# Altium PCB imx6ull开发板.PcbDoc (part 1 of 3) (continued)
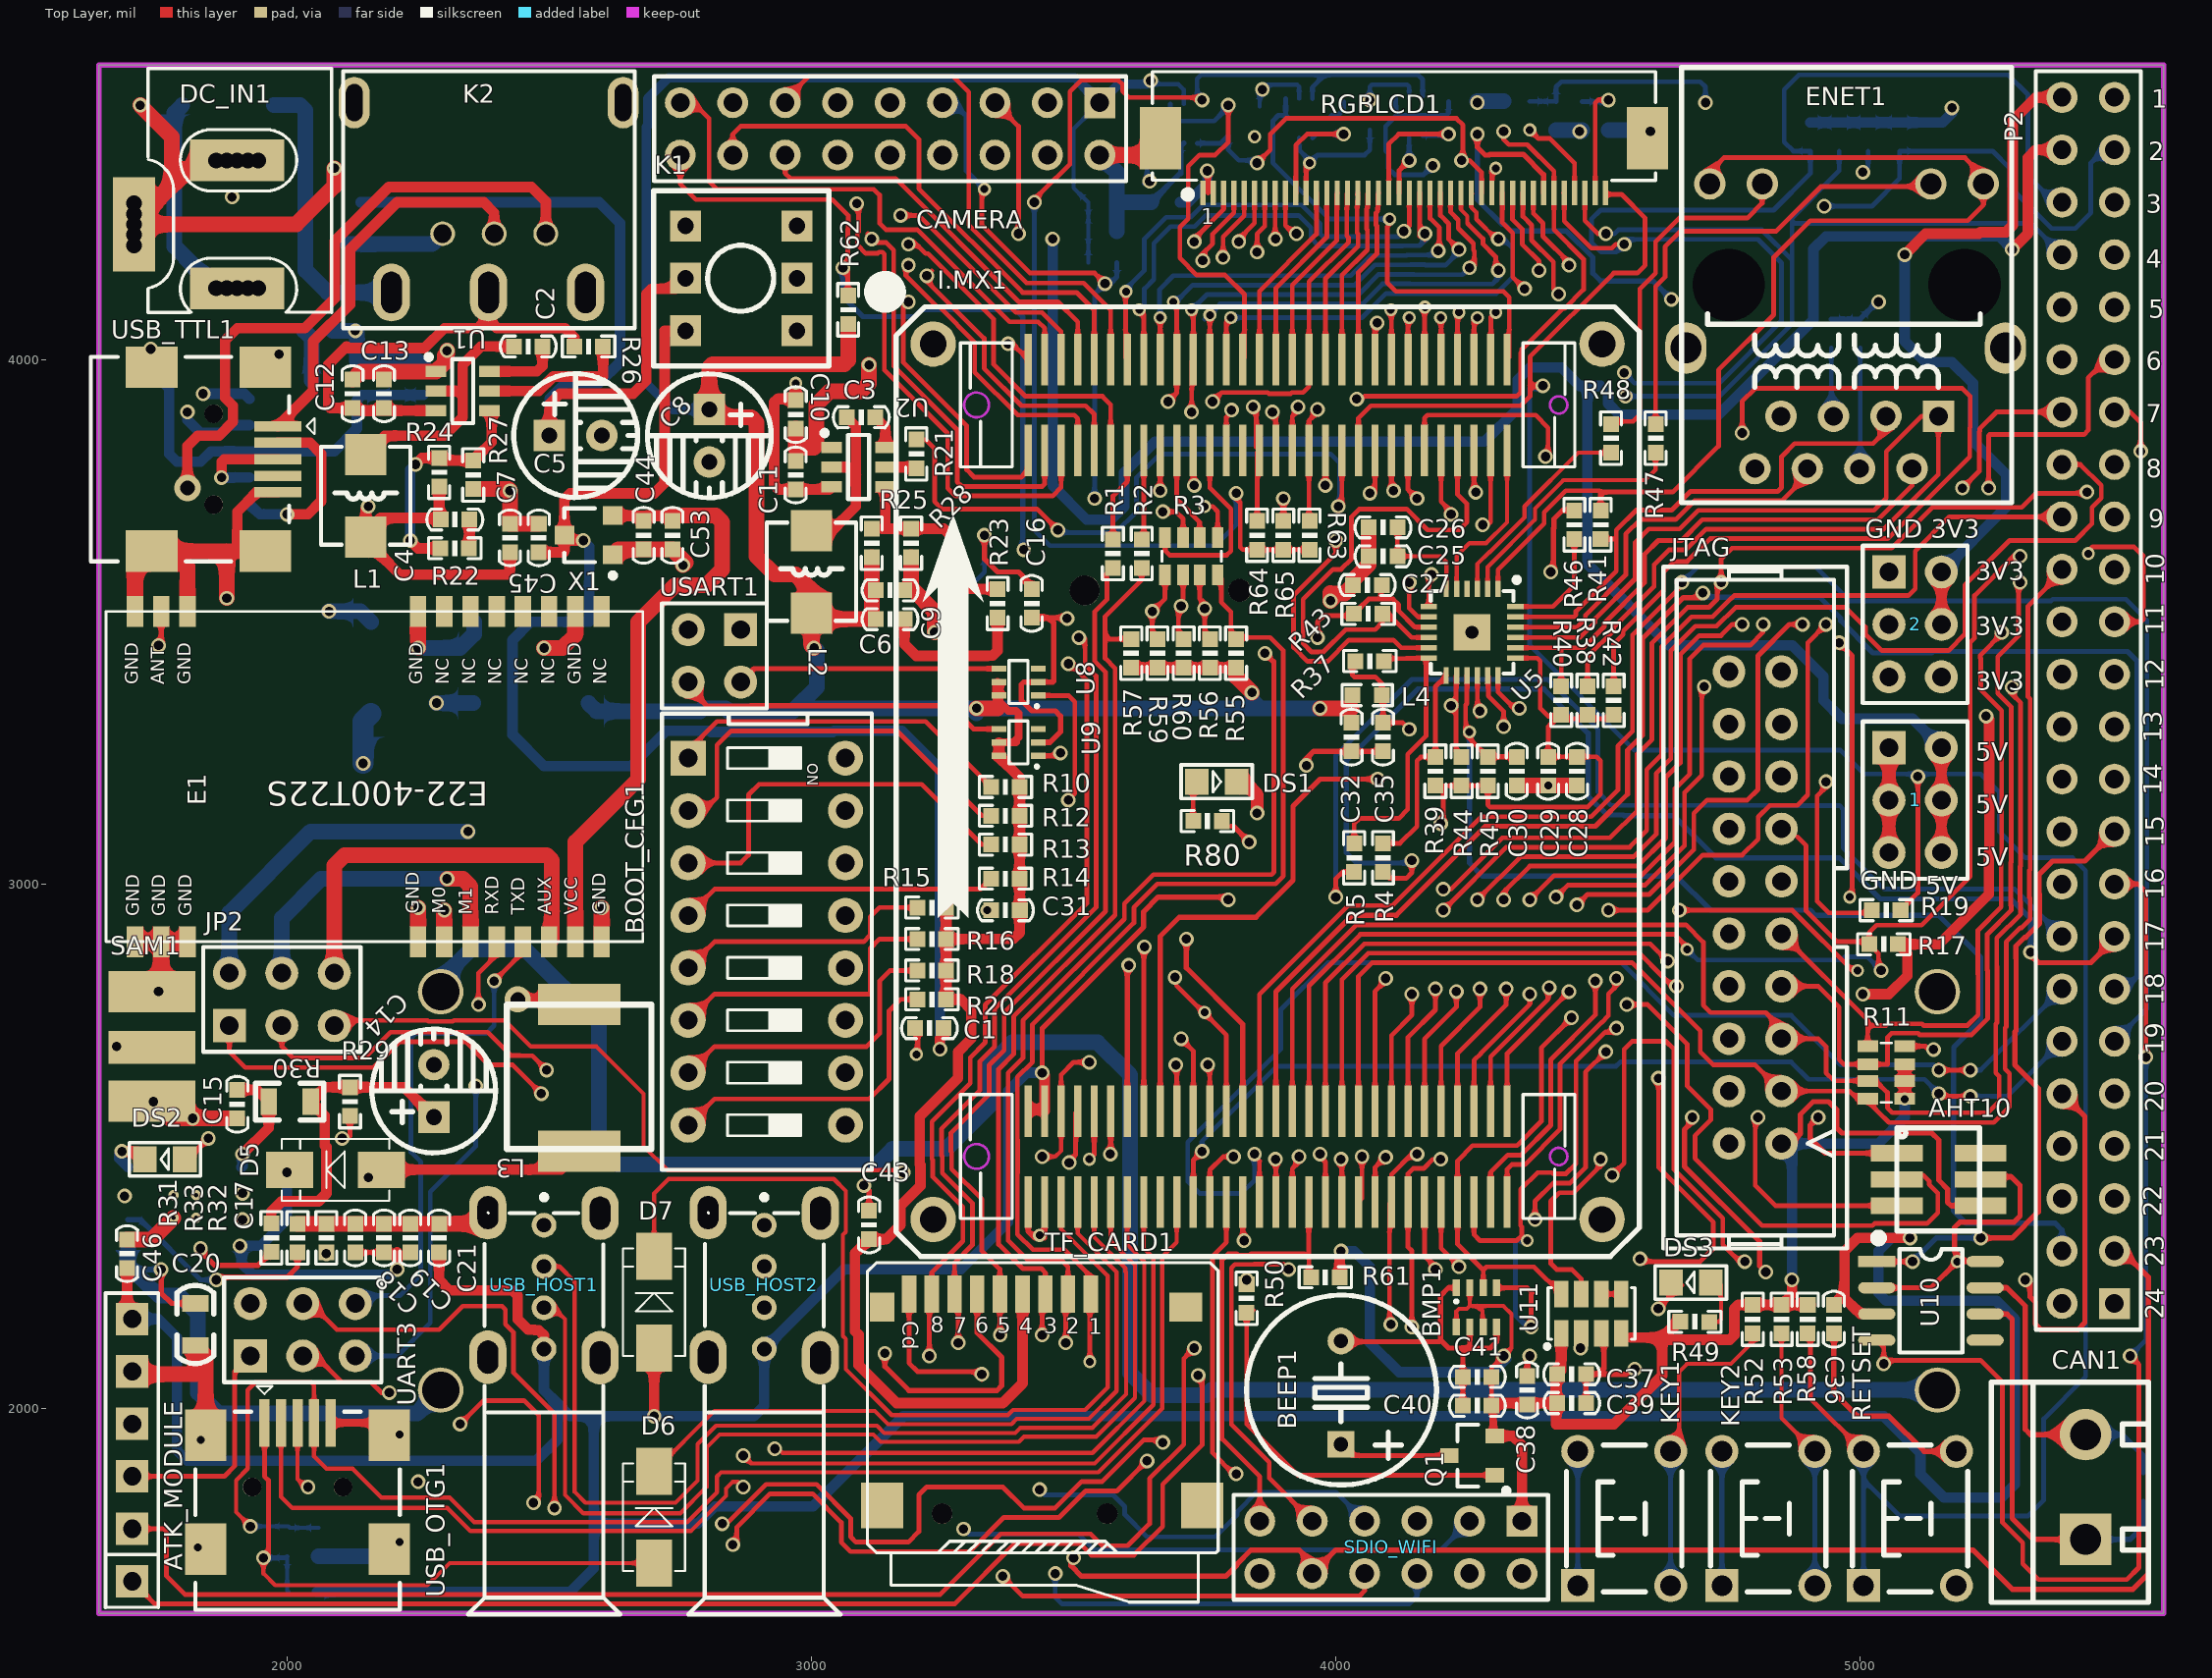
[diagram p0: Top Layer view]
## Components (designator, comment, footprint, x,y, rotation, side; value= is the part's Value field where it differs from the comment) (continued)
CAMERA "Header 9X2" HDR2X9 3550,4490 r180 top locked
CAN1 "CAN" KF301-2P 5430,1750 r90 top
D1 "SS34" "DIODE 3*5.3" 1890,4495 r0 bottom
D2 "SS34" "DIODE 3*5.3" 2160,3415 r90 bottom
D3 "SMBJ5.0A" SMBJ 2461.47,3499.8 r0 bottom
D4 "SMBJ3.3A" SMBJ 2460,3345 r0 bottom
D5 "SS34" "DIODE 3*5.3" 2090,2455 r180 top
D6 "RB521S-30" "DIODE 3*5.3" 2700,1795 r90 top
D7 "RB521S-30" "DIODE 3*5.3" 2700,2205 r90 top
DC_IN1 "POWER" DC10B 1905,4380 r270 top
DS1 "RED" "LED 0805R" 3775,3195 r0 top
DS2 "RED" "LED 0805R" 1765,2475 r180 top
DS3 "RED" "LED 0805R" 4675,2240 r180 top
E1 "E22-400T2S" PE22-400T22S 1710,2890 r180 top
ENET1 "HR911105A" RJ-45A12 5235,4335 r90 top locked
I.MX1 "I.MX6UL_CORE" I.MX6UL_CORE 3870,3195 r0 top locked
JP2 "RS232/RS485" HDR-3X2 1890,2730 r0 top
JTAG "JTAG" JTAG_20 4800,2955 r90 top locked (schematic designator JTAG?)
K1 "BUTTON" BTN8.5*8.5 2760,4255 r0 top
K2 "KEY1X3" PKEY 2205,4135 r90 top
KEY1 "KEY" "TSW DIP-6*6*5 - 2" 4550,1790 r90 top
KEY2 "KEY" "TSW DIP-6*6*5 - 2" 4825,1790 r90 top
L1 "4.7uH" L-SMD-0420 2150,3740 r270 top
L2 "4.7uH" L-SMD-0420 3000,3595 r270 top
L3 "2.2uH" "CD74 电感   7*7*4mm贴片" 2695,2770 r270 top
L4 "120R,2.0A" "L 0603" 4060,3360 r180 top
P2 "Header 24X2" HDR2X24 5485,2200 r90 top locked
Q1 "S8550" SOT23-3L 4260,1910 r90 top
R1 "100R" R_0603P 3575,3630 r270 top
R2 "100R" R_0603P 3630,3630 r270 top
R3 "R*4_0603_2" R*4-0603 3725,3625 r180 top
R4 "0R" R_0603P 4090,3050 r90 top
R5 "0R" R_0603P 4035,3050 r90 top
R6 "4K7" R_0603P 4960,4425 r270 bottom
R7 "4K7" R_0603P 4905,4425 r270 bottom
R8 "4K7" R_0603P 5015,4425 r270 bottom
R9 "4K7" R_0603P 5075,4425 r270 bottom
R10 "10K" R_0603P 3370,3185 r180 top
R11 "10K" R*4-0603 5050,2640 r90 top
R12 "10K" R_0603P 3370,3130 r180 top
R13 "4K7" R_0603P 3370,3075 r180 top
R14 "4K7" R_0603P 3370,3010 r180 top
R15 "4K7" R_0603P 3230,2955 r180 top
R16 "4K7" R_0603P 3230,2895 r180 top
R17 "NC" R_0603P 5045,2885 r180 top
R18 "4K7" R_0603P 3230,2835 r180 top
R19 "NC" R_0603P 5050,2950 r180 top
R20 "4K7" R_0603P 3230,2780 r180 top
R21 "1K" R_0603P 3200,3820 r90 top
R22 "1K" R_0603P 2320,3640 r180 top
R23 "1K" R_0603P 3355,3535 r90 top
R24 "84.5k" R_0603P 2290,3785 r90 top
R25 "49.9k" R_0603P 3115,3650 r90 top
R26 "100K" R_0603P 2575,4025 r0 top
R27 "15K" R_0603P 2355,3780 r90 top
R28 "15K" R_0603P 3190,3650 r90 top
R29 "200R" R_0603P 2120,2585 r90 top
R30 "5R" R_0805 1965,2585 r0 top
R31 "270K" R_0603P 1970,2325 r90 top
R32 "100K" R_0603P 2075,2325 r270 top
R33 "6K8" R_0603P 2020,2325 r270 top
R34 "10K" R_0603P 2000,1745 r270 bottom
R35 "100K" R_0603P 2060,1745 r90 bottom
R36 "NC" R_0603P 2030,1650 r180 bottom
R37 "1K" R_0603P 4065,3425 r180 top
R38 "49.9R" R_0603P 4480,3350 r270 top
R39 "1K" R_0603P 4190,3215 r270 top
R40 "49.9R" R_0603P 4430,3350 r270 top
R41 "49.9R" R_0603P 4505,3685 r90 top
R42 "49.9R" R_0603P 4530,3350 r270 top
R43 "10K" R_0603P 4061.72,3515 r180 top
R44 "1K" R_0603P 4240,3215 r270 top
R45 "1K" R_0603P 4290,3215 r270 top
R46 "12.1K" R_0603P 4455,3685 r90 top
R47 "510R" R_0603P 4610,3850 r270 top
R48 "510R" R_0603P 4525,3850 r270 top
R49 "510R" R_0603P 4685,2165 r180 top
R50 "1K" R_0603P 3830,2210 r270 top
R51 "120R" R_0603P 5540,1850 r90 bottom
R52 "10K" R_0603P 4795,2170 r90 top
R53 "NC" R_0603P 4850,2170 r90 top
R54 "10K" R_0603P 3555,4185 r0 bottom
R55 "NC" R_0603P 3810,3440 r270 top
R56 "NC" R_0603P 3760,3440 r270 top
R57 "NC" R_0603P 3610,3440 r270 top
R58 "NC" R_0603P 4900,2170 r90 top
R59 "NC" R_0603P 3660,3440 r270 top
R60 "NC" R_0603P 3710,3440 r270 top
R61 "NC" R_0603P 3980,2250 r0 top
R62 "10K" R_0603P 3070,4095 r90 top
R63 "0R" R_0603P 3950,3665 r270 top
R64 "NC" R_0603P 3850,3665 r270 top
R65 "10K" R_0603P 3900,3665 r270 top
R66 "NC" R_0603P 4215,4465 r270 bottom
R67 "NC" R_0603P 4015,4465 r270 bottom
R68 "NC" R_0603P 3795,4455 r270 bottom
R69 "10K" R_0603P 4470,4465 r270 bottom
R70 "NC" R_0603P 4420,4465 r270 bottom
R71 "NC" R_0603P 4370,4465 r90 bottom
R72 "10K" R_0603P 4320,4465 r90 bottom
R73 "10K" R_0603P 4270,4465 r90 bottom
R80 "1K" R_0603P 3755,3120 r0 top
R100 "0R" R_0805 2115,4300 r270 bottom
RETSET "KEY" "TSW DIP-6*6*5 - 2" 5095,1790 r90 top (schematic designator KEY3)
RGBLCD1 "RGBLCD" FPC0.5-TOP40P 4130,4370 r0 top locked
SAM1 "ANT" SMA-KE 1660,2755 r180 top
SDIO_WIFI "SDIO WIFI" HDR2X6 4355,1785 r180 top
SW1 "switch" 三脚拨动开关SS12D00G4 2395,4240 r180 bottom
TF_CARD1 "Micro SD" "Micro SD" 3135,1815 r0 top locked
U1 "DC JW5060T_6" SOT23-6N 2335,3940 r180 top
U2 "DC JW5060T_6" SOT23-6N 3090,3795 r180 top
U3 "CS5080" "ESOP8   IP5306" 1805,2385 r180 bottom
U4 "18650" "18650 2节电池座 PCB插脚" 4815,2035 r0 bottom locked
U5 "LAN8720A" QFN24 4260,3480 r270 top
U6 "CH340C" SOP16_N 1820,3800 r180 bottom
U7 "XC6206" SOT23-3N 2090,3960 r270 bottom
U8 "SGM3157" SOT363-6L 3395,3385 r180 top
U9 "SGM3157" SOT363-6L 3395,3270 r180 top
U10 "TJA1050" SOP8_N 5135,2205 r0 top locked
U11 "AP3216C" QFN8 4430,2210 r0 top
U12 "SGM3157" SOT363-6L 3930,4460 r90 bottom
U13 "SGM3157" SOT363-6L 4140,4460 r90 bottom
U14 "SGM3157" SOT363-6L 3710,4450 r90 bottom
UART3 "RS232/RS485" HDR-3X2 1930,2100 r0 top (schematic designator UART1)
USART1 "Header2X2" HDR-2X2 2865,3485 r180 top
USB_HOST1 "USB" USB-A/S_E 2490,2235 r270 top
USB_HOST2 "USB" USB-A/S_E 2910,2235 r270 top
USB_OTG1 "USB-5P" USB-MINI-A 2020,1850 r0 top
USB_TTL1 "USB-5P" USB-MINI-A 1860,3810 r270 top
X1 "XC6206P" "XC6206P332  SOT-23  LDO电源稳压IC" 2575,3665 r90 top

## Footprints (in the part's own frame and the unit in brackets; to place one, negate y for a bottom-side part, rotate by r counter-clockwise, add the part's x,y. Pads: shape width x height; smd on the part's side, far side on the other; paste and mask are expansions set on the pad)
"18650 2节电池座 PCB插脚" [mm]
  round 2.2 hole 1.8: 1(-64.06,0) 2(8.44,0) 3(-64.06,-19.29) 4(8.44,-19.29)
  round 4 on Bottom Overlay: ""(-55.62,-19.29) ""(-55.62,0) ""(0,-19.29) ""(0,0)
  silkscreen extent -66.66,-30.61 11.04,10.56
"AHT10 温湿度传感器" [mm]
  rect 2.5x0.8 smd: 1(0,-1.23) 2(0,-2.5) 3(0,-3.77) 4(4.064,-3.77) 5(4.064,-2.5) 6(4.064,-1.23)
  silkscreen extent 0,-5 4,0
"BEEP 5x9x5.5" [mm]
  rect 1.3x1.3 hole 0.7: 1(0,-2.5)
  round 1.3 hole 0.7: 2(0,2.5)
  silkscreen extent -4.58,-4.47 4.62,4.72, body extent -4.5,-4.5 4.5,4.5, height 5.45
BMP280 [mm]
  rect 0.8x0.35 smd: 1(-0.004,0) 2(-0.004,-0.65) 3(-0.004,-1.3) 4(-0.004,-1.95) 5(-1.904,-1.95) 6(-1.904,-1.3) 7(-1.904,-0.65) 8(-1.904,0)
  silkscreen extent -0.69,-0.02 -0.64,0.02
BTN8.5*8.5 [mm] "8.5MM*8.5MM"
  rect 1.5x1.5 hole 0.8: 1(0,0) 2(0,-2.54) 3(0,-5.08) 4(5.4,-5.08) 5(5.4,-2.54) 6(5.4,0)
  silkscreen extent -1.55,-6.79 6.95,1.71
C_0603P [mil]
  rect 30x30 smd: 1(-27,0) 2(27.5,-0.06)
  silkscreen extent -53,-20 53,20
C_0805 [mm]
  rect 0.8x1.27 smd: 1(0,0) 2(2.032,0)
  silkscreen extent -0.87,-0.89 2.91,0.89
CAP2.54M [mil] "6mm*8mm"
  rect 60x60 hole 30: 1(0.42,0.23)
  round 60 hole 30: 2(100.42,0.23)
  silkscreen extent -68,-118 169,118
"CD74 电感   7*7*4mm贴片" [mm]
  rect 2x4 smd: 1(0,-3.5) 2(7.112,-3.5)
  silkscreen extent 0,-7 7,0
CR1220_B [mm]
  round 1.1 hole 1.1: 0(-3.6,0)
  round 1.45 hole 1.45: 0(3.9,0)
  rect 3.5x2.5 smd: 1(9.652,0) 2(-8.458,0)
  silkscreen extent -7.5,-7.5 10.16,7.5, body extent -9.42,-7.45 10.34,7.45, height 4.05
"CSW DIP-8P" [mm]
  rect 1.7x1.7 hole 0.9: 1(-8.89,-3.81)
  round 1.7 hole 0.9: 2(-6.35,-3.81) 3(-3.81,-3.81) 4(-1.27,-3.81) 5(1.27,-3.81) 6(3.81,-3.81) 7(6.35,-3.81) 8(8.89,-3.81) 9(8.89,3.81) 10(6.35,3.81) 11(3.81,3.81) 12(1.27,3.81) 13(-1.27,3.81) 14(-3.81,3.81) 15(-6.35,3.81) 16(-8.89,3.81)
  silkscreen extent -11.05,-5.08 11.05,5.08, body extent -10.94,-4.95 10.94,4.95, height 6.65
DC10B [mil]
  rect 45x45 hole 30: 1(244.09,-40.06) 1(244.09,-20.06) 1(244.09,19.94) 1(244.09,39.94) 2(0,39.94) 2(0,19.94) 2(0,-20.06) 2(0,-40.06) 3(82.05,-196.91) 3(102.05,-196.91) 3(142.05,-196.91) 3(162.05,-196.91)
  rect 80x180 hole 30: 1(244.09,-0.06) 2(0,-0.06)
  rect 180x80 hole 30: 3(122.05,-196.91)
  silkscreen extent -175,-170 290,180
"DIODE 3*5.3" [mm]
  rect 2.3x1.75 smd: 1(-2.286,0) 2(2.159,0)
  silkscreen extent -2.67,-1.5 2.54,1.5
"ESOP8   IP5306" [mm] "SOP, 8-Leads, Body 4.90x3.90mm, Pitch 1.27mm, Thermal Pad 2.09x2.09mm, IPC Medium Density"
  oval 1.4x0.6 smd: 1(-2.75,1.905) 2(-2.75,0.635) 3(-2.75,-0.635) 4(-2.75,-1.905) 5(2.75,-1.905) 6(2.75,-0.635) 7(2.75,0.635) 8(2.75,1.905)
  rect 2.09x2.09 smd: 9(0,0)
  silkscreen extent -2.88,-2.55 1.65,2.88, body extent -2.05,-2.55 2.05,2.55, height 1.65
FPC0.5-TOP40P [mm]
  rect 0.25x1.2 smd: 1(-9.737,-1.326) 2(-9.237,-1.326) 3(-8.737,-1.326) 4(-8.237,-1.326) 5(-7.737,-1.326) 6(-7.237,-1.326) 7(-6.737,-1.326) 8(-6.237,-1.326) 9(-5.737,-1.326) 10(-5.237,-1.326) 11(-4.737,-1.326) 12(-4.237,-1.326) 13(-3.737,-1.326) 14(-3.237,-1.326) 15(-2.737,-1.326) 16(-2.237,-1.326) 17(-1.737,-1.326) 18(-1.237,-1.326) 19(-0.737,-1.326) 20(-0.237,-1.326) 21(0.263,-1.326) 22(0.763,-1.326) 23(1.263,-1.326) 24(1.763,-1.326) 25(2.263,-1.326) 26(2.763,-1.326) 27(3.263,-1.326) 28(3.763,-1.326) 29(4.263,-1.326) 30(4.763,-1.326) 31(5.263,-1.326) 32(5.763,-1.326) 33(6.263,-1.326) 34(6.763,-1.326) 35(7.263,-1.326) 36(7.763,-1.326) 37(8.263,-1.326) 38(8.763,-1.326) 39(9.263,-1.326) 40(9.763,-1.326)
  rect 2x3 smd: A(-11.8,1.326) B(11.8,1.326)
  silkscreen extent -12.19,-1.58 12.19,4.54, body extent -12.08,-1.35 12.12,4.65, height 2
HDR2X6 [mm]
  rect 1.5x1.5 hole 0.9: 1(0,0)
  round 1.5 hole 0.9: 2(0,2.54) 3(2.54,0) 4(2.54,2.54) 5(5.08,0) 6(5.08,2.54) 7(7.62,0) 8(7.62,2.54) 9(10.16,0) 10(10.16,2.54) 11(12.7,0) 12(12.7,2.54)
  silkscreen extent -1.27,-1.27 13.97,3.81
HDR2X9 [mm]
  rect 1.5x1.5 hole 0.9: 1(0,0)
  round 1.5 hole 0.9: 2(0,2.54) 3(2.54,0) 4(2.54,2.54) 5(5.08,0) 6(5.08,2.54) 7(7.62,0) 8(7.62,2.54) 9(10.16,0) 10(10.16,2.54) 11(12.7,0) 12(12.7,2.54) 13(15.24,0) 14(15.24,2.54) 15(17.78,0) 16(17.78,2.54) 17(20.32,0) 18(20.32,2.54)
  silkscreen extent -1.27,-1.27 21.59,3.81
HDR2X24 [mm] "Connector; Header; 24x2 Position"
  rect 1.5x1.5 hole 0.9: 1(0,0)
  round 1.5 hole 0.9: 2(0,2.54) 3(2.54,0) 4(2.54,2.54) 5(5.08,0) 6(5.08,2.54) 7(7.62,0) 8(7.62,2.54) 9(10.16,0) 10(10.16,2.54) 11(12.7,0) 12(12.7,2.54) 13(15.24,0) 14(15.24,2.54) 15(17.78,0) 16(17.78,2.54) 17(20.32,0) 18(20.32,2.54) 19(22.86,0) 20(22.86,2.54) 21(25.4,0) 22(25.4,2.54) 23(27.94,0) 24(27.94,2.54) 25(30.48,0) 26(30.48,2.54) 27(33.02,0) 28(33.02,2.54) 29(35.56,0) 30(35.56,2.54) 31(38.1,0) 32(38.1,2.54) 33(40.64,0) 34(40.64,2.54) 35(43.18,0) 36(43.18,2.54) 37(45.72,0) 38(45.72,2.54) 39(48.26,0) 40(48.26,2.54) 41(50.8,0) 42(50.8,2.54) 43(53.34,0) 44(53.34,2.54) 45(55.88,0) 46(55.88,2.54) 47(58.42,0) 48(58.42,2.54)
  silkscreen extent -1.27,-1.27 59.69,3.81
HDR-2X2 [mm]
  rect 1.6x1.6 hole 0.9: 1(0,0)
  round 1.6 hole 0.9: 2(0,2.54) 3(2.54,0) 4(2.54,2.54)
  silkscreen extent -1.27,-1.27 3.81,3.81, body extent -1.27,-1.27 3.81,3.81, height 8.5
HDR-3X2 [mm]
  rect 1.6x1.6 hole 0.9: 1(0,0)
  round 1.6 hole 0.9: 2(0,2.54) 3(2.54,0) 4(2.54,2.54) 5(5.08,0) 6(5.08,2.54)
  silkscreen extent -1.27,-1.27 6.35,3.81, body extent -1.27,-1.27 6.35,3.81, height 8.5
HEAD6 [mil] "PIN:2.54mm;HEAD;"
  rect 62x62 hole 35: 1(0.42,0.42) 2(100.42,0.42) 3(200.42,0.42) 4(300.42,0.42) 5(400.43,0.42) 6(500.43,0.42)
  silkscreen extent -50,-50 550,51
I.MX6UL_CORE [mm]
  round 2.2 hole 1.3: 0(-16.2,-21.2) 0(-16.2,21.2) 0(16.2,-21.2) 0(16.2,21.2)
  rect 0.35x2.5 smd: J1_1(-11.6,20.45) J1_2(-10.8,20.45) J1_3(-10,20.45) J1_4(-9.2,20.45) J1_5(-8.4,20.45) J1_6(-7.6,20.45) J1_7(-6.8,20.45) J1_8(-6,20.45) J1_9(-5.2,20.45) J1_10(-4.4,20.45) J1_11(-3.6,20.45) J1_12(-2.8,20.45) J1_13(-2,20.45) J1_14(-1.2,20.45) J1_15(-0.4,20.45) J1_16(0.4,20.45) J1_17(1.2,20.45) J1_18(2,20.45) J1_19(2.8,20.45) J1_20(3.6,20.45) J1_21(4.4,20.45) J1_22(5.2,20.45) J1_23(6,20.45) J1_24(6.8,20.45) J1_25(7.6,20.45) J1_26(8.4,20.45) J1_27(9.2,20.45) J1_28(10,20.45) J1_29(10.8,20.45) J1_30(11.6,20.45) J1_31(11.6,16.05) J1_32(10.8,16.05) J1_33(10,16.05) J1_34(9.2,16.05) J1_35(8.4,16.05) J1_36(7.6,16.05) J1_37(6.8,16.05) J1_38(6,16.05) J1_39(5.2,16.05) J1_40(4.4,16.05) J1_41(3.6,16.05) J1_42(2.8,16.05) J1_43(2,16.05) J1_44(1.2,16.05) J1_45(0.4,16.05) J1_46(-0.4,16.05) J1_47(-1.2,16.05) J1_48(-2,16.05) J1_49(-2.8,16.05) J1_50(-3.6,16.05) J1_51(-4.4,16.05) J1_52(-5.2,16.05) J1_53(-6,16.05) J1_54(-6.8,16.05) J1_55(-7.6,16.05) J1_56(-8.4,16.05) J1_57(-9.2,16.05) J1_58(-10,16.05) J1_59(-10.8,16.05) J1_60(-11.6,16.05) J2_1(-11.6,-15.95) J2_2(-10.8,-15.95) J2_3(-10,-15.95) J2_4(-9.2,-15.95) J2_5(-8.4,-15.95) J2_6(-7.6,-15.95) J2_7(-6.8,-15.95) J2_8(-6,-15.95) J2_9(-5.2,-15.95) J2_10(-4.4,-15.95) J2_11(-3.6,-15.95) J2_12(-2.8,-15.95) J2_13(-2,-15.95) J2_14(-1.2,-15.95) J2_15(-0.4,-15.95) J2_16(0.4,-15.95) J2_17(1.2,-15.95) J2_18(2,-15.95) J2_19(2.8,-15.95) J2_20(3.6,-15.95) J2_21(4.4,-15.95) J2_22(5.2,-15.95) J2_23(6,-15.95) J2_24(6.8,-15.95) J2_25(7.6,-15.95) J2_26(8.4,-15.95) J2_27(9.2,-15.95) J2_28(10,-15.95) J2_29(10.8,-15.95) J2_30(11.6,-15.95) J2_31(11.6,-20.35) J2_32(10.8,-20.35) J2_33(10,-20.35) J2_34(9.2,-20.35) J2_35(8.4,-20.35) J2_36(7.6,-20.35) J2_37(6.8,-20.35) J2_38(6,-20.35) J2_39(5.2,-20.35) J2_40(4.4,-20.35) J2_41(3.6,-20.35) J2_42(2.8,-20.35) J2_43(2,-20.35) J2_44(1.2,-20.35) J2_45(0.4,-20.35) J2_46(-0.4,-20.35) J2_47(-1.2,-20.35) J2_48(-2,-20.35) J2_49(-2.8,-20.35) J2_50(-3.6,-20.35) J2_51(-4.4,-20.35) J2_52(-5.2,-20.35) J2_53(-6,-20.35) J2_54(-6.8,-20.35) J2_55(-7.6,-20.35) J2_56(-8.4,-20.35) J2_57(-9.2,-20.35) J2_58(-10,-20.35) J2_59(-10.8,-20.35) J2_60(-11.6,-20.35)
  Keep-Out Layer circle w0.127: c14.1,18.25 r0.42
  Keep-Out Layer circle w0.127: c-14.1,18.25 r0.6
  Keep-Out Layer circle w0.127: c-14.1,-18.15 r0.6
  Keep-Out Layer circle w0.127: c14.1,-18.15 r0.42
  silkscreen extent -19.04,-23 18,24.23
JTAG_20 [mil]
  round 62 hole 35: 1(-450,-50) 2(-450,50) 3(-350,-50) 4(-350,50) 5(-250,-50) 6(-250,50) 7(-150,-50) 8(-150,50) 9(-50,-50) 10(-50,50) 11(50,-50) 12(50,50) 13(150,-50) 14(150,50) 15(250,-50) 16(250,50) 17(350,-50) 18(350,50) 19(450,-50) 20(450,50)
  silkscreen extent -650,-175 650,175
KF301-2P [mm]
  rect 2.5x2.5 hole 1.5: 1(0,0)
  round 2.5 hole 1.5: 2(5.08,0)
  silkscreen extent -3.05,-3.05 7.62,4.57, body extent -2.87,-3 7.63,4.6, height 10.05
"L 0603" [mil]
  rect 30x30 smd mask+2: 1(-28.25,0) 2(28.25,0)
  silkscreen extent -48,-20 48,20, body extent -32,-16 31,16, height 31
L-SMD-0420 [mm]
  rect 2x2 smd: 1(-2,0) 2(2,0)
  silkscreen extent -2.39,-2.16 2.36,2.17, body extent -2.26,-2.06 2.24,2.04, height 1.91
"LED 0805R" [mil]
  rect 45x50 smd: 1(-40,0) 2(36.01,0)
  silkscreen extent -70,-32 66,32, body extent -39,-25 39,25, height 32
"Micro SD" [mm]
  rect 2.032x2.2 smd: 0(0,0) 0(15.5,0)
  rect 1.2x1.4 smd: 0(0,9.6)
  round 1 hole 1 unplated: 0(2.9,-0.4) 0(10.9,-0.4)
  rect 1.6x1.4 smd: 0(14.7,9.6)
  rect 0.7x1.8 smd: 1(10.1,10.227) 2(9,10.227) 3(7.9,10.227) 4(6.8,10.227) 5(5.7,10.227) 6(4.6,10.227) 7(3.5,10.227) 8(2.4,10.227) 9(1.3,10.227)
  silkscreen extent -0.72,-4.68 16.27,11.75, body extent -0.27,-4.63 16,10.57, height 1.8
PE22-400T22S [mm] "26mm**16mm*3.23mm-S"
  rect 0.8x1.5 smd: 1(0,0) 2(-1.27,0) 3(-2.54,0) 4(-13.71,0) 5(-14.98,0) 6(-16.25,0) 7(-17.52,0) 8(-18.79,0) 9(-20.06,0) 10(-21.33,0) 11(-22.6,0) 12(-22.6,-16) 13(-21.33,-16) 14(-20.06,-16) 15(-18.79,-16) 16(-17.52,-16) 17(-16.25,-16) 18(-14.98,-16) 19(-13.71,-16) 20(-2.54,-16) 21(-1.27,-16) 22(0,-16)
  silkscreen extent -24.6,-16 1.4,0
PKEY [mm]
  oval 2.8x1.8 hole 1 slot 2 at 0 deg: 1(-0.181,0.15) 2(-0.181,-4.55) 3(-0.181,-9.25)
  oval 2.5x1.5 hole 0.8 slot 1.8 at 0 deg: ""(9.017,-11.068) ""(9.017,1.951)
  silkscreen extent -1.91,-11.63 10.54,2.49
QFN8 [mm]
  rect 0.7x1.3 smd: 1(0,-1.703) 2(0.97,-1.703) 3(1.94,-1.703) 4(2.91,-1.703) 5(2.91,0.203) 6(1.94,0.203) 7(0.97,0.203) 8(0,0.203)
  silkscreen extent -0.78,-2.44 3.56,0.51
QFN24 [mm] "QFN, 24-Leads, Body 4.0x4.0mm (max), Pitch 0.50mm, IPC Medium Density"
  rect 0.8x0.25 smd: 1(-2.101,1.25) 2(-2.101,0.75) 3(-2.101,0.25) 4(-2.101,-0.25) 5(-2.101,-0.75) 6(-2.101,-1.25) 13(2.101,-1.25) 14(2.101,-0.75) 15(2.101,-0.25) 16(2.101,0.25) 17(2.101,0.75) 18(2.101,1.25)
  rect 0.25x0.8 smd: 7(-1.25,-2.101) 8(-0.75,-2.101) 9(-0.25,-2.101) 10(0.25,-2.101) 11(0.75,-2.101) 12(1.25,-2.101) 19(1.25,2.101) 20(0.75,2.101) 21(0.25,2.101) 22(-0.25,2.101) 23(-0.75,2.101) 24(-1.25,2.101)
  rect 1.778x1.778 smd: 25(0,0)
  silkscreen extent -2.66,-2 2,2.28
R*4-0603 [mm]
  rect 0.57x1 smd: 1(-1.264,-0.894) 2(-1.264,0.906) 3(-0.389,-0.894) 4(-0.389,0.906) 5(0.411,-0.894) 6(0.411,0.906) 7(1.286,-0.894) 8(1.286,0.906)
  silkscreen extent -1.44,-0.24 1.44,0.26
R_0603P [mil]
  rect 30x30 smd: 1(-27,0) 2(27.5,-0.06)
  silkscreen extent -50,-20 50,20
R_0805 [mm]
  rect 0.8x1.27 smd: 1(0,0) 2(2.032,0)
  silkscreen extent -0.64,-0.89 2.67,0.89
RJ-45A12 [mil]
  round 130 hole 137.8: 0(-192.91,485.83) 0(-192.91,35.83)
  rect 60x60 hole 35.43: 1(-442.91,85.83)
  round 60 hole 35.43: 2(-542.91,135.83) 3(-442.91,185.83) 4(-542.91,235.83) 5(-442.91,285.83) 6(-542.91,335.83) 7(-442.91,385.83) 8(-542.91,435.83)
  round 60 hole 40: 9(0,0) 10(0,100) 11(0,421.65) 12(0,521.65)
  oval 98.43x78.74 hole 59.06: 13(-312.99,-42.13) 14(-312.99,567.32)
  silkscreen extent -608,-54 222,576, body extent -605,-53 237,572, height 59
SMA-KE [mm]
  rect 4.2x1.6 smd: ANT(-2.097,1.69)
  rect 4.2x2 smd: G(-2.097,4.29) G(-2.097,-1.01)
  rect 4.2x2 smd far side: G(-2.097,4.29) G(-2.097,-1.01)
SMBJ [mm] "3.9*5.6"
  rect 1.5x3 smd: 1(-2.667,0) 2(2.921,0)
  silkscreen extent -1.02,-1.85 1.52,1.83
SOP8_N [mm]
  rect 1.8x0.55 smd: 1(-2.625,1.905)
  oval 1.8x0.55 smd: 2(-2.625,0.635) 3(-2.625,-0.635) 4(-2.625,-1.905) 5(2.625,-1.905) 6(2.625,-0.635) 7(2.625,0.635) 8(2.625,1.905)
  silkscreen extent -2.69,-2.5 1.52,3.2, body extent -3,-2.5 3,2.5, height 1.9
SOP16_N [mm]
  oval 1.8x0.55 smd: 1(-2.75,4.445) 2(-2.75,3.175) 3(-2.75,1.905) 4(-2.75,0.635) 5(-2.75,-0.635) 6(-2.75,-1.905) 7(-2.75,-3.175) 8(-2.75,-4.445) 9(2.75,-4.445) 10(2.75,-3.175) 11(2.75,-1.905) 12(2.75,-0.635) 13(2.75,0.635) 14(2.75,1.905) 15(2.75,3.175) 16(2.75,4.445)
  silkscreen extent -2.95,-5 1.52,5.74, body extent -3,-5 3,5, height 1.9
SOT23-3L [mm]
  rect 0.7x0.9 smd: 1(-0.95,-1.1) 2(0.95,-1.1) 3(0,1.1)
  silkscreen extent -1.82,-1.78 1.5,0.71, body extent -1.5,-1.19 1.5,1.21, height 1.05
SOT23-3N [mm]
  rect 0.7x1 smd: 1(-0.95,-1.1) 2(0.95,-1.1) 3(0,1.1)
  silkscreen extent -1.88,-1.88 1.5,0.7, body extent -1.5,-1.2 1.5,1.2, height 1.05
SOT23-6N [mm]
  rect 1x0.55 smd: 1(1.3,-0.95) 2(1.3,0) 3(1.3,0.95) 4(-1.3,0.95) 5(-1.3,0) 6(-1.3,-0.95)
  silkscreen extent -0.51,-1.78 1.78,1.55, body extent -1.4,-1.5 1.4,1.5, height 1.15
SOT363-6L [mm]
  rect 0.7x0.3 smd: 1(-0.95,0.65) 2(-0.95,0) 3(-0.95,-0.65) 4(0.95,-0.65) 5(0.95,0) 6(0.95,0.65)
  silkscreen extent -0.97,-1.04 0.46,1.24, body extent -1.05,-1 1.05,1, height 1
"TSW DIP-6*6*5 - 2" [mm]
  rect 1.6x1.6 hole 1: 1(-3.25,2.25)
  round 1.6 hole 1: 1(3.25,2.25) 2(-3.25,-2.25) 2(3.25,-2.25)
  silkscreen extent -3.56,-2.79 3.56,2.79, body extent -4.11,-3 4.11,3, height 4.95
USB-A/S_E [mm]
  round 1.2 hole 0.7: 1(3.094,0) 2(1.094,0) 3(-0.906,0) 4(-2.906,0)
  oval 2.6x1.8 hole 1 slot 1.6 at 0 deg: 5(-3.513,-2.718) 5(-3.487,2.718) 5(3.487,-2.718) 5(3.513,2.718)
  silkscreen extent -4.38,-3.68 15.95,3.7, body extent -4.07,-3.61 15.18,3.64, height 14.45
USB-MINI-A [mm]
  rect 0.5x2.3 smd: 1(-1.6,3.108) 2(-0.8,3.108) 3(0,3.108) 4(0.8,3.108) 5(1.6,3.108)
  rect 2x2.5 smd: 5(-4.45,-3) 5(-4.45,2.5) 5(4.45,-3) 5(4.45,2.5)
  round 0.9 hole 0.9 unplated: MH1(2.2,0) MH2(-2.2,0)
  silkscreen extent -4.95,-5.95 4.95,4.89, body extent -4.75,-6 4.75,3.7, height 3.95
"XC6206P332  SOT-23  LDO电源稳压IC" [mm]
  rect 0.9x0.95 smd: 1(-0.95,-1.175) 2(0.95,-1.175) 3(0,1.175)
  silkscreen extent -2.07,-1.3 1.3,1.18
三脚拨动开关SS12D00G4 [mm]
  round 1.2 hole 0.9: 1(-2.5,0) 2(0,0) 3(2.5,0)
  silkscreen extent -4.4,-2 4.4,2

## Part data
1 2 JP2 UART3: library part "Header 3X2", "3*2P接插件"
AHT10: library part "AHT10 温湿度传感器"
ATK_MODULE: library part ATK-HC05, "ATK-HC05"
BAT1: library part CR-3V, "微型电池"
BEEP1: "蜂鸣器"
BOOT_CFG1: "8路编码开关"
C1 C2 C3 C4 C6 C7 C9 C10 C11 C12 C13 C15 C16 C17 C18 C19 C20 C21 C22 C23 C24 C25 C26 C27 C28 C29 C30 C31 C32 C33 C34 C35 C36 C37 C38 C39 C40 C41 C42 C43 C44 C45 C46 C47 C48 C49 C50 C51 C53: library part C
C5 C8: "Polarized Capacitor (Radial)"
C14: "Capacitor"
CAMERA: "Header, 9-Pin, Dual row"
CAN1: library part HEAD2
D1 D2 D5 D6 D7: library part D, "1N4148"
D3 D4: library part SMBJ, "TVS"
DC_IN1: library part P-DC, "低压电源接口"
DS1 DS2 DS3: library part LED-SMD, "贴片LED"
ENET1: "带灯以太网接口"
I.MX1: library part I.MX6UL核心板, "I.MX6UL核心板"
K2: library part PKEY
KEY1 KEY2 RETSET: "按键"
L1 L2: library part L-CDRH, "功率屏蔽电感"
L3: library part Inductor, "Inductor"
L4: library part L, "小功率贴片电感磁珠"
P2: "Header, 24-Pin, Dual row"
Q1: library part 8550-SMD, "高频放大-PNP型"
R1 R2 R4 R5 R6 R7 R8 R9 R10 R12 R13 R14 R15 R16 R17 R18 R19 R20 R21 R22 R23 R24 R25 R26 R27 R28 R29 R30 R31 R32 R33 R34 R35 R36 R37 R38 R39 R40 R41 R42 R43 R44 R45 R46 R47 R48 R49 R50 R51 R52 R53 R54 R55 R56 R57 R58 R59 R60 R61 R62 R63 R64 R65 R66 R67 R68 R69 R70 R71 R72 R73 R80 R100: library part R
R11: library part R*4_0603_2
RGBLCD1: library part FPC-40, "FPC-40P-0.5mm"
SAM1: library part "SAM-DIP 天线座"
SDIO_WIFI: library part "Header 6X2", "Header, 6-Pin, Dual row"
SW1: library part 3脚拔动开关
TF_CARD1: "Micro SD卡"
U1 U2: "DC降压芯片"
U3: library part "CS5080 5V输入8V4输出充电器IC", "5V输入8V4输出充电器IC"
U4: library part "18650 2节电池座 PCB插脚"
U5: library part LAN8720, "ETH PHY"
U6: library part CH340G, "USB2UART"
U7: library part "LDO XC6206", "LDO"
U8 U9 U12 U13 U14: "单路双掷模拟开关"
U10: library part SN65HVD230D
U11: "ALS+PS Sensor"
USART1: library part "Header 2X2", "2*2P接插件"
USB_HOST1 USB_HOST2: library part USB-A/S, "USB-A型母接口"
USB_OTG1 USB_TTL1: "微型USB母座"
X1: library part "XC6206P-332 稳压LDO芯片"

## Free pads (board coordinates)
  round 50 hole 25: 2(4260,3480)

## Via types
v1: diameter 28, hole 18, Top Layer to Bottom Layer, 322 vias
v2: diameter 25, hole 15, Top Layer to Bottom Layer, 41 vias
v3: diameter 19.68, hole 7.87, Top Layer to Bottom Layer, 4 vias
v4: diameter 50, hole 28, Top Layer to Bottom Layer, 2 vias

## Nets (pads, with @x,y where several pads share a name; then routed paths per layer and width w, separated by ;. In a path a pad name is that pad's centre, name@x,y a point inside that pad or via, vN(x,y) a via of type N, cw(c..) or ccw(c..) an arc to the next point about the centre after c; other vN are vias at no path point)
3V3_E22: C44.2 C53.2 E1.10 X1.2 | length 1165.1
  Top Layer w20: X1.2@2621.26,3702.4 C53.2@2725.16,3702.4
  Top Layer w30: E1.10@2549.76,2890 2549.76,3079.76 2670,3200 2670,3500 2739,3569 2771.15,3569 2772.15,3570 2800,3570 2830,3600 2830,3690 2817.6,3702.4 C53.2@2725.16,3702.4
8V4+: C20.2 D2.1 U3.5 U4.1 | length 2399.3
  Top Layer w10: v1(1760,2265) 1760,2220 1780,2200 C20.2@1825,2200
  PWR w40: v1(2145,3230) 2145,3175 2165,3155 2165,2495 2292.95,2367.05 U4.1@2292.95,2035
  Bottom Layer w10: 1696.73,2273.27 1705,2265 v1(1760,2265)
  Bottom Layer w30: U3.5@1696.73,2310 1696.73,2273.27 1744.58,2225.43 1745.52,2225.43 1755.94,2215 1795,2215 1830,2180 1830,2030 1870,1990 2247.95,1990 U4.1@2292.95,2035
  Bottom Layer w40: v1(2145,3230) 2145,3310 D2.1@2160,3325
ANT1: E1.21 SAM1.ANT | length 913.3
  Top Layer w10: v1(1755,3455) 1760,3460 E1.21@1760,3519.92
  Top Layer w30: SAM1.ANT@1700,2685 1739.1,2685 SAM1.ANT@1742.56,2688.46
  PWR w10: v1(1675,2690) 1670,2695 1670,3370 v1(1755,3455)
AP_INT: I.MX1.J2_49 P2.7 U11.7 | length 2314.4
  Top Layer w9: I.MX1.J2_49@3759.76,2393.82 3759.76,2454.76 3785,2480 v1(3805,2480) ; U11.7@4468.19,2218 4468.19,2246.81 4450,2265 4421.19,2265 4410,2276.19 4410,2395 4426.26,2411.26 4453.77,2411.26 4510,2467.49 4505,2472.49 v1(4505,2475)
  PWR w9: 3789,2480 3810,2480 3845,2445 4440,2445 4470,2475 v1(4505,2475) 4545.46,2475 4674.46,2346 4803.47,2346 4804.97,2347.5 4930.23,2347.5 5032.73,2450 5435,2450 P2.7@5485,2500
ATK_MODULE_RXD: ATK_MODULE.3 UART3.1 | length 426
  Top Layer w9: ATK_MODULE.3@1704.58,1870.42 1880.42,1870.42 1900,1890 1900,2070 UART3.1@1930,2100
ATK_MODULE_TXD: ATK_MODULE.4 UART3.2 | length 396.7
  PWR w10: ATK_MODULE.4@1704.58,1970.42 1830.42,1970.42 1884.5,2024.5 1884.5,2137.79 1885,2138.29 1885,2155 UART3.2@1930,2200
BEEP: I.MX1.J2_5 R50.1 | length 1052.9
  Top Layer w10: v2(3530,2475) 3539.29,2484.29 I.MX1.J2_5@3539.29,2567.05
  PWR w10: v2(3530,2475) 3530,2534.35 3493.5,2570.85 3493.5,2663.1 3518.4,2688 3608.5,2688 3622.5,2674 3622.5,2395.88 3638.5,2379.88 3638.5,2284.5 3670,2253 3830,2253 v1(3830,2245)
BLT_PWM: I.MX1.J2_16 P2.13 R73.1 RGBLCD1.34 | length 4473.1
  Top Layer w10: I.MX1.J2_16@3885.75,2567.05 3885.75,2794.59 4031.66,2940.5 4115.5,2940.5 4285,3110 4495,3110 4556.5,3171.5 4556.5,3255.34 4584.5,3283.34 4584.5,3467.49 4663.01,3546 4691,3546 v1(4700,3555) ; v1(4270,4430) 4270,4405 4285,4390 4292.52,4390 4294.02,4391.5 4357.34,4391.5 4396.25,4352.59 RGBLCD1.34@4396.25,4317.79
  PWR w10: v1(4640,4115) 4635,4115 4605,4085 4605,3678.84 4700,3583.84 v1(4700,3555)
  Bottom Layer w10: v1(4270,4430) 4270,4305 4317,4258 4321.6,4258 4334.6,4245 4440,4245 4490,4195 4490,4165 4505,4150 4605,4150 v1(4640,4115) ; v1(4700,3555) 4708,3547 4922.6,3547 4963,3506.6 4963,3502 5024.5,3440.5 5136.15,3440.5 5139.19,3443.53 5510,3443.53 5528.53,3425 5528.53,2823.53 5505,2800 P2.13@5485,2800
BOOT_DATA7: BOOT_CFG1.9 U14.3 | length 2829.3
  PWR w9: BOOT_CFG1.9@3065,2540 2885,2540 2880,2545 2880,3336.37 2910,3366.36 2910,3865 2960,3915 3210,3915 3265,3860 3455,3860 3485,3890 3485,4085 3482.5,4087.5 3482.5,4147.5 3530,4195 3600,4195 3614.73,4209.73 3614.73,4311.5 v1@3636.62,4333.38
  Bottom Layer w9: v1@3635,4335 v1@3640,4335 ; v1(3645,4340) v1@3640,4335 ; U14.3@3684.41,4412.6 3647.6,4412.6 3640,4405 v1@3640,4335
BOOT_MODE0: BOOT_CFG1.15 I.MX1.J2_7 | length 1178.2
  Top Layer w10: I.MX1.J2_7@3602.28,2567.05 3602.28,2842.28 v1(3605,2845)
  PWR w10: BOOT_CFG1.15@3065,3140 3065,3150 3116,3201 3557.13,3201 3605,3153.13 v1(3605,2845)
BOOT_MODE1: BOOT_CFG1.16 I.MX1.J2_8 | length 1193.2
  Top Layer w10: I.MX1.J2_8@3633.78,2567.05 3633.78,2881.22 v1(3635,2880)
  PWR w10: BOOT_CFG1.16@3065,3240 3085,3220 3565,3220 3635,3150 v1(3635,2880)
CAN1_RX: I.MX1.J2_35 P2.17 U10.4 | length 3305.8
  Top Layer w9: I.MX1.J2_35@4200.71,2393.82 4200.71,2305.71 4235,2271.42 v1(4235,2270) ; U10.4@5031.65,2130 5045,2116.65 v1(5045,2085) 5051.81,2091.81 5229.69,2091.81 5271.5,2050 5271.5,1782.34 5310,1743.84 5310,1703.5 5340,1673.5 5508.5,1673.5 5531.5,1696.5 5531.5,2083.5 v1(5515,2100) ; P2.17@5485,3000 5530,3000 5545,2985 v1(5545,2670)
  PWR w9: v1(4235,2270) 4250,2255 4710.91,2255 4885.91,2080 5040,2080 v1(5045,2085)
  Bottom Layer w9: v1(5515,2100) 5545,2130 v1(5545,2670)
CAN1_TX: I.MX1.J2_36 P2.19 U10.1 | length 2548.9
  Top Layer w9: I.MX1.J2_36@4169.21,2393.82 4169.21,2290.79 4190,2270 v1(4190,2265) ; U10.1@5031.65,2280 v1(5100,2280)
  Top Layer w10: v1(5230,2325) 5290,2325 5340,2375 5340,2610 5295,2655 5295,2717.93 5297.5,2720.43 5297.5,2857.9 5297,2858.4 5297,2881.6 5313.4,2898 5315.53,2898 5342.5,2924.97 5342.5,2980.94 5341.47,2981.97 5341.47,3018.03 5366.97,3043.53 5428.53,3043.53 P2.19@5485,3100
  PWR w9: v1(4190,2265) 4218,2237 4255.98,2237 4703.46,2237 4882.96,2057.5 5056.39,2057.5 5095,2096.11 5095,2275 5090,2280 v1(5100,2280)
  Bottom Layer w10: v1(5100,2280) 5145,2325 v1(5230,2325)
CH340_D+: U6.5 USB_TTL1.3 | length 192.7
  Top Layer w20: v1(1875,3775) 1875,3805 1880,3810 USB_TTL1.3@1982.36,3810
  Bottom Layer w20: v1(1875,3775) U6.5@1928.27,3775
CH340_D-: U6.6 USB_TTL1.2 | length 336.9
  Top Layer w20: USB_TTL1.2@1982.36,3841.49 2043.51,3841.49 2065,3820 2065,3730 2040,3705 v1(2000,3705)
  Bottom Layer w20: U6.6@1928.27,3725 1948.27,3705 v1(2000,3705)
CSI_DATA0: CAMERA.8 I.MX1.J1_56 | length 792.9
  Top Layer w9: v1@3229.54,4169.54 v1(3220,4160) 3220,4150 3329.5,4040.5 3329.5,3983.28 3400.78,3912 3523,3912 3539.29,3895.71 I.MX1.J1_56@3539.29,3826.89
  PWR w9: v1(3220,4160) 3220,4190 3250,4220 CAMERA.8@3250,4390
CSI_DATA1: CAMERA.9 I.MX1.J1_57 | length 910.2
  Top Layer w9: v1(3185,4180) 3180,4175 3180,4160 3240,4100 3244.54,4100 3311.5,4033.04 3311.5,3975.82 3393.32,3894 3501,3894 3507.8,3887.2 I.MX1.J1_57@3507.8,3826.89
  PWR w9: CAMERA.9@3150,4490 3172.27,4467.73 3172.27,4437.73 3193.03,4416.97 3193.03,4316.97 3220,4290 3220,4215.46 3185,4180.46 v1(3185,4180)
CSI_DATA2: CAMERA.10 I.MX1.J1_3 | length 574.8
  Top Layer w9: v1(3170,4275) 3205,4275 3390,4090 3440,4090 3476.3,4053.7 I.MX1.J1_3@3476.3,4000.12
  PWR w9: CAMERA.10@3150,4390 3170,4370 v1(3170,4275)
CSI_DATA3: CAMERA.11 I.MX1.J1_59 | length 1194.7
  Top Layer w9: v1(3115,4230) 3115,4233.22 3108,4240.22 3108,4235 3120,4223 3142.46,4223 3157,4208.46 3157,3987.54 3278,3866.54 3278,3767 3287,3758 3440,3758 3444.8,3762.8 I.MX1.J1_59@3444.8,3826.89
  PWR w9: CAMERA.11@3050,4490 3025,4490 2995,4460 2995,4370 3022,4343 3092,4343 3115,4320 v1(3115,4230)
CSI_DATA4: CAMERA.12 I.MX1.J1_55 | length 901.2
  Top Layer w9: v1(3185,4220) 3190,4225 3195,4225 3217.73,4202.27 3222.27,4202.27 3347.5,4077.04 3347.5,3990.73 3408.23,3930 3555,3930 3570.79,3914.21 I.MX1.J1_55@3570.79,3826.89
  PWR w9: CAMERA.12@3050,4390 3070.46,4390 3137.75,4322.71 3137.75,4252.25 3170,4220 v1(3185,4220)
CSI_DATA5: CAMERA.13 I.MX1.J1_6 | length 1071.7
  Top Layer w9: CAMERA.13@2950,4490 2950,4495 2995,4540 3270,4540 3300,4510 3300,4256.37 3410.37,4146 3519,4146 3570.79,4094.21 I.MX1.J1_6@3570.79,4000.12
CSI_DATA6: CAMERA.14 I.MX1.J1_4 | length 782
  Top Layer w9: CAMERA.14@2950,4390 2950,4355 2960,4345 3160.46,4345 3395.46,4110 3470,4110 3507.8,4072.2 I.MX1.J1_4@3507.8,4000.12
CSI_DATA7: CAMERA.15 I.MX1.J1_58 | length 1313
  Top Layer w9: v1(3086.39,4297.5) 3090,4293.89 3090,4243.89 3087.5,4241.39 3087.5,4218.61 3103.61,4202.5 3126.39,4202.5 3128.89,4205 3135,4205 3139,4201 3139,3980.09 3260,3859.09 3260,3755 3275,3740 3460,3740 3476.3,3756.3 I.MX1.J1_58@3476.3,3826.89
  PWR w9: CAMERA.15@2850,4490 2865,4490 2895,4460 2895,4360 2930,4325 3058.89,4325 v1(3086.39,4297.5)
CSI_HSYNC: CAMERA.5 I.MX1.J1_1 | length 537.6
  Top Layer w9: CAMERA.5@3350,4490 3395,4445 v1(3395,4240) ; v1(3375,4030) 3383.43,4030 I.MX1.J1_1@3413.31,4000.12
  PWR w9: v1(3375,4030) 3395,4050 v1(3395,4240)
CSI_MCLK: CAMERA.17 I.MX1.J1_2 | length 1034.5
  Top Layer w9: CAMERA.17@2750,4490 2775,4490 2805,4460 2805,4340 2820,4325 3118.89,4325 3130,4313.89 3130,4260 3142.5,4247.5 3202.5,4247.5 3378,4072 3432.54,4072 3444.8,4059.74 I.MX1.J1_2@3444.8,4000.12
CSI_PIXCLK: CAMERA.16 I.MX1.J1_5 | length 1030.1
  Top Layer w9: CAMERA.16@2850,4390 2850,4430 2865,4445 3180,4445 3205,4420 3205,4325.91 3402.91,4128 3505.58,4128 3539.29,4094.29 I.MX1.J1_5@3539.29,4000.12
CSI_PWDN: CAMERA.18 I.MX1.J2_14 P2.10 R62.2 | length 6545.5
  Top Layer w9: CAMERA.18@2750,4390 2750,4335 2780,4305 3040,4305 3070.06,4274.94 3070.06,4249.41 3069.5,4248.85 3069.5,4123.06 R62.2@3070.06,4122.5
  Top Layer w10: v1(3715,2895) 3715,2840 3822.76,2732.24 I.MX1.J2_14@3822.76,2567.05 ; v1(4680,2555) 4680,2546.62 4665,2531.62 4665,2461.62 4808,2318.62 4808,2272 v1(4820,2260) ; v1(5315,2245) 5324,2236 5324,2212.87 5334,2202.87 5334,2161 5345,2150 5415,2150 5428.53,2163.53 5428.53,2556.47 P2.10@5385,2600
  PWR w10: v1(3405,3637.5) 3405,3635 3400,3630 3427.46,3602.54 3752.46,3602.54 3781.08,3573.92 3781.08,3523.92 3790,3515 3885,3515 3915,3485 3915,3430 3890,3405 3715,3405 3700,3390 3700,3360 3715,3345 v1(3715,2895) 3735,2875 3933.5,2875 3953.5,2895 3953.5,3009.66 4016.84,3073 4156.6,3073 4180,3049.6 4180,3010 4067,2897 4067,2808 4120,2755 4120,2685 4180,2625 4575,2625 4650,2550 4690,2550 4686.62,2546.62 4680,2553.24 v1(4680,2555) ; v1(4820,2260) 4835,2275 4960.27,2275 5061.77,2376.5 5228.5,2376.5 5316.5,2288.5 v1@5316.5,2245
  Bottom Layer w10: v1(3060,4175) 3060,4120 3098,4082 3196.6,4082 3209.6,4095 3390,4095 3403,4082 3403,3639.5 v1(3405,3637.5)
CSI_RESET: CAMERA.7 I.MX1.J2_13 P2.9 R54.2 | length 5849.6
  Top Layer w9: v2(3330,4325) 3324.97,4319.97 3324.97,4256.85 3416.82,4165 3540,4165 v1(3560,4145) ; 3696.5,2806.35 3791.26,2711.59 I.MX1.J2_13@3791.26,2567.05 ; v1(4526.99,2444.66) 4550,2467.67 4550,2685 4565,2700 4630,2700 4645,2685 4645,2455.46 4738,2362.46 4738,2312 4770,2280 v1(4780,2280)
  PWR w9: v1(3540,3735) 3512,3707 3415,3707 3380,3672 3380,3653.89 3377.5,3651.39 3377.5,3602.5 3400,3580 3440,3580 3460,3560 3460,3315 3515,3260 3580,3260 3687.5,3152.5 3687.5,2827.9 v1(3693.28,2822.13) ; v2(3750,2755) 3780,2755 3819.27,2715.73 3819.27,2615.13 3768.14,2564 3734,2564 3713,2543 3713,2450 3736,2427 4461.54,2427 4469.71,2435.16 4525.16,2435.16 4525.16,2442.84 v1(4526.99,2444.66) ; v1(4780,2280) 4792,2292 4825.84,2292 4827.34,2293.5 4952.6,2293.5 5054.1,2395 5239,2395 5335,2299 5335,2275 5353.03,2256.97 5502.82,2256.97 5532,2286.15 5532,2553 P2.9@5485,2600
  Bottom Layer w9: CAMERA.7@3250,4490 3270,4490 3295,4465 3295,4360 v2(3330,4325) ; v1(3540,3735) 3540,4125 v1(3560,4145) 3560,4135 3582.5,4157.5 R54.2@3582.5,4185.06 ; v1@4525.34,2444.66 v1(4526.99,2444.66)
CSI_VSYNC: CAMERA.3 I.MX1.J1_60 | length 1363.3
  Top Layer w9: v1(3185,4110) 3175,4100 3175,3995 3296,3874 3296,3789.91 3309.91,3776 3400,3776 3413.31,3789.31 I.MX1.J1_60@3413.31,3826.89
  PWR w9: v1(3185,4110) 3195,4120 3225,4120 3250,4145 3250,4185 3293.03,4228.03 3293.03,4423.03 3281.06,4435 3215,4435 3200,4450 3200,4520 3213.03,4533.03 3406.97,4533.03 CAMERA.3@3450,4490
CT_INT: C51.1 I.MX1.J2_15 P2.11 R69.1 RGBLCD1.39 | length 4739.9
  Top Layer w9: I.MX1.J2_15@3854.25,2567.05 3854.25,2789.25 4024,2959 4107.84,2959 4277.34,3128.5 4487.34,3128.5 4538,3179.16 4538,3263 4566,3291 4566,3475.15 4660,3569.15 v1(4660,3575) ; RGBLCD1.39@4494.67,4317.79 4494.67,4489.67 4500,4495 v1(4520,4495)
  PWR w9: v1(4520,4495) 4586.39,4495 4646.39,4435 4735,4435 4760,4410 4760,4285 4585,4110 4585,3650 v1(4660,3575)
  Bottom Layer w9: R69.1@4470,4492 C51.1@4510,4492 ; v1(4660,3575) 4690,3605 4915,3605 4980,3540 5364.15,3540 5367.18,3543.03 5506.97,3543.03 5547.03,3502.97 5547.03,2762.03 P2.11@5485,2700
CT_RST: I.MX1.J1_48 R72.1 RGBLCD1.35 | length 1369.9
  Top Layer w9: I.MX1.J1_48@3791.26,3826.89 3791.26,3890 3801.16,3899.9 v1(3801.16,3903.84) ; v1@4047.5,3922.5 4055,3930 4345,3930 4352.46,3937.46 4352.46,4012.91 4355,4015.46 4355,4020 4432.5,4097.5 4436.39,4097.5 4472.5,4133.61 4472.5,4191.39 4415.93,4247.96 RGBLCD1.35@4415.93,4317.79 4415.93,4359.07 4365,4410 4330,4410 4320,4420 v1(4320,4435)
  PWR w9: v1(3801.16,3903.84) 3801.16,3873.84 3828,3847 4017,3847 4040,3870 v1(4040,3925)